# Altium PCB Main_Board.PcbDoc (part 5 of 19)
Units mil, origin at the board's own origin, x right, y up, seen from the top; angles counter-clockwise.
Board outline 5306 x 6610 mil, 12 copper layers ((L1) Top, (L2) Inner 1, (L3) Inner 2, (L4) Inner 3, (L5) Inner 4, (L6) Inner 5, (L7) Inner 6, (L8) Inner 7, (L9) Inner 8, (L10) Inner 9, (L11) Inner 10, (L12) Bottom), stack 94.81 mil thick; 347 components, 571 nets, 2611 pads, 4053 vias.
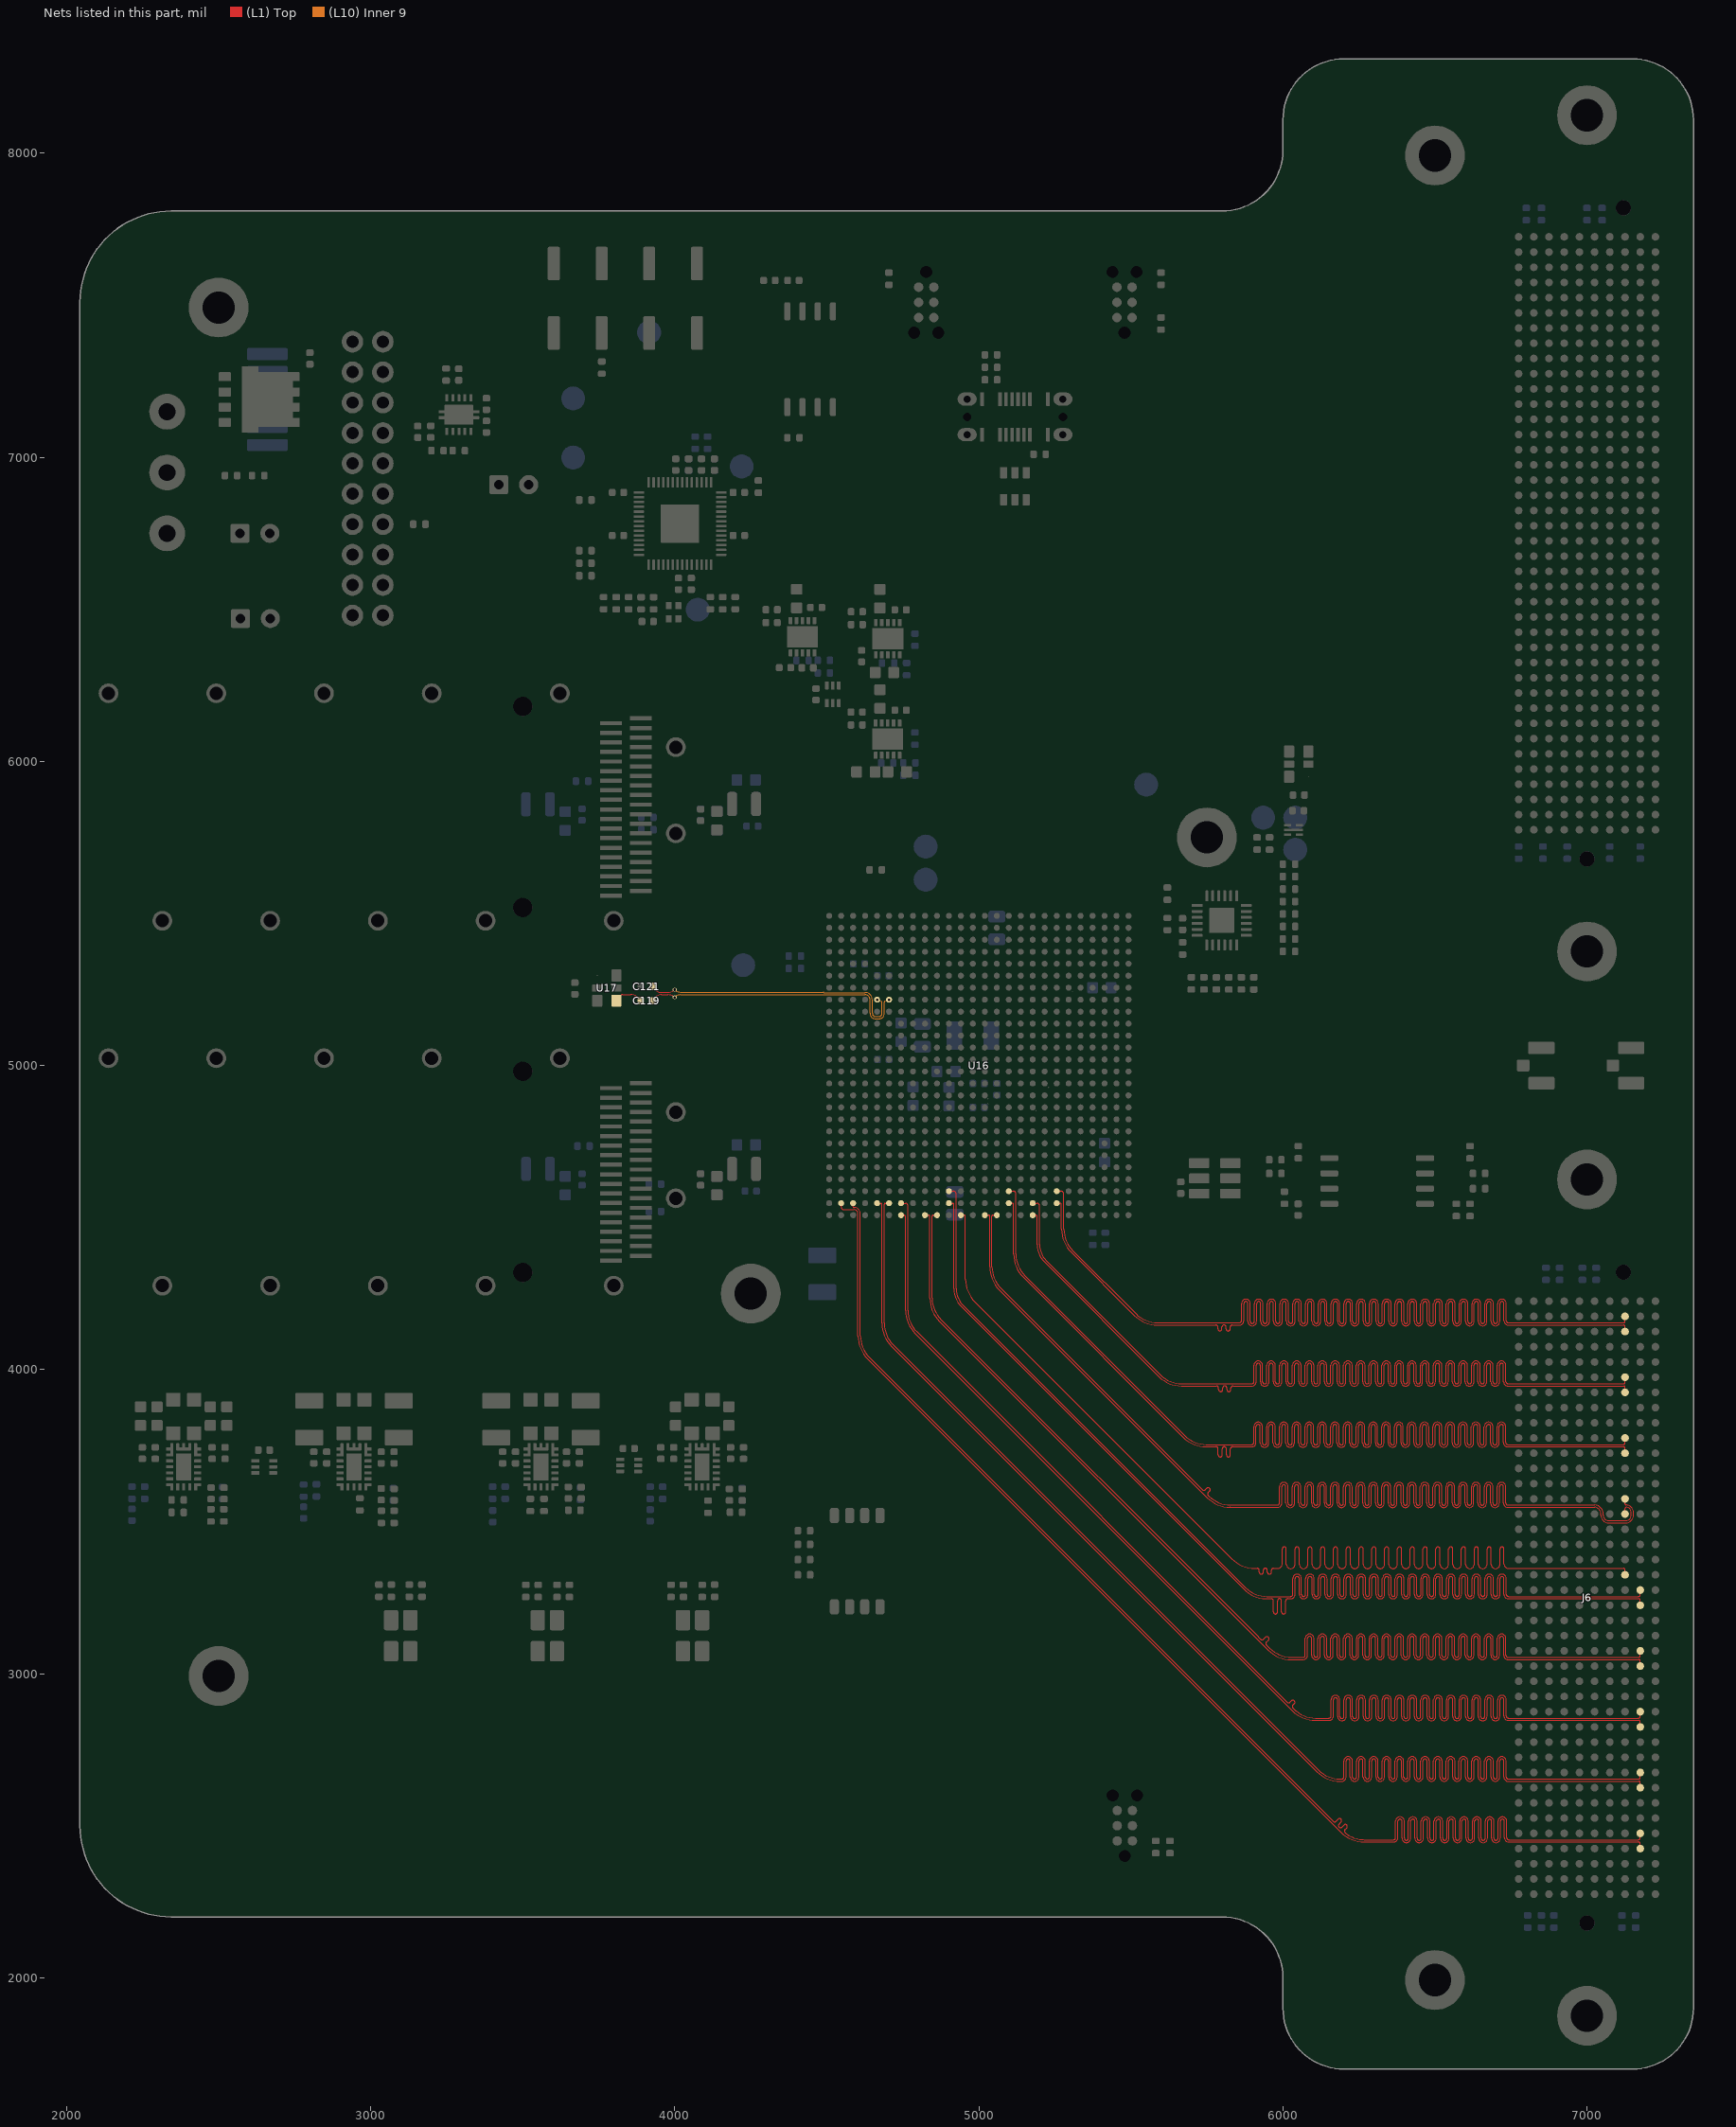
[diagram p15: the nets of this part, all layers, seen from the top]

## Via types
v1: diameter 13.78, hole 7.87, (L1) Top to (L12) Bottom, tented both sides, 4044 vias
v2: diameter 13.78, hole 7.87, (L1) Top to (L12) Bottom, tented bottom, 9 vias

## Nets (pads, with @x,y where several pads share a name; then routed paths per layer and width w, separated by ;. In a path a pad name is that pad's centre, name@x,y a point inside that pad or via, vN(x,y) a via of type N, cw(c..) or ccw(c..) an arc to the next point about the centre after c; other vN are vias at no path point) (continued)
GTX_REFCLK_DC_P: C119.2 U17.4 | length 98.9
  (L1) Top w3.5: U17.4@3808,5213.01 3808.15,5213.2 3819.51,5227.61 3821.39,5229.35 3825.74,5232.9 cw(c3827.87,5230.12) 3827.87,5233.62 3827.97,5233.72 3846.04,5233.72 3846.09,5233.77 3854.81,5233.77 3854.96,5233.62 cw(c3854.96,5199.7) 3878.95,5223.69 3887.88,5214.76 cw(c3885.24,5212.13) 3888.97,5212.13 C119.2@3888.97,5212.59
GTX_REFCLK_N: C121.1 U16.H5 | length 893
  (L1) Top w3.5: C121.1@3926.76,5260 3932.28,5253.31 3937.74,5247.9 ccw(c3956.39,5266.55) 3956.39,5240.17 3956.49,5240.07 3977.89,5240.07 3977.95,5240.14 ccw(c3977.95,5269.93) v1@3999.02,5248.86
  (L10) Inner 9 w3.5: v1(3999.33,5249.39) ccw(c4018.89,5268.94) 4018.89,5241.29 4050.34,5241.29 4050.5,5241.45 4488.55,5241.45 cw(c4488.55,5240) 4490,5240 4625.48,5240 cw(c4625.48,5216) 4649.47,5216 4649.47,5171.72 ccw(c4660.19,5171.72) 4660.19,5161 4671.87,5161 ccw(c4671.87,5170.49) 4681.36,5170.49 4681.36,5207.65 ccw(c4677.86,5207.65) 4679.2,5210.88 v1(4665.35,5216.54)
GTX_REFCLK_P: C119.1 U16.H6 | length 903.8
  (L1) Top w3.5: C119.1@3926.76,5212.59 3932.28,5219.28 3937.74,5224.9 cw(c3956.39,5206.25) 3956.39,5232.62 3956.49,5232.72 3977.82,5232.72 3977.95,5232.59 cw(c3977.95,5202.8) v1@3999.02,5223.86
  (L10) Inner 9 w3.5: v1(3999.33,5224.39) cw(c4018.89,5204.83) 4018.89,5232.49 4053.99,5232.49 4054.14,5232.65 4625.48,5232.65 cw(c4625.48,5216) 4642.12,5216 4642.12,5171.72 ccw(c4660.19,5171.72) 4660.19,5153.65 4671.87,5153.65 ccw(c4671.87,5170.49) 4688.71,5170.49 4688.71,5207.65 cw(c4692.21,5207.65) 4690.87,5210.88 ; 4690.89,5210.89 v1(4704.72,5216.54)
HPCC_A_01_N: J6.B21 U16.AE11 | length 5359.3
  (L1) Top w3.5: U16.AE11@4901.57,4547.24 4913,4547.24 cw(c4913,4542.49) 4917.76,4542.49 4917.76,4266.11 ccw(c5001.16,4266.11) 4942.19,4207.14 5871.37,3277.95 ccw(c5947.42,3354) 5943.25,3246.53 ccw(c5947.42,3354) 5945,3246.48 5947.42,3246.45 5961.88,3246.45 cw(c5961.88,3239.7) 5968.63,3239.7 5968.63,3203.1 ccw(c5975.38,3203.1) 5982.13,3203.1 5982.13,3239.9 cw(c5988.88,3239.9) 5995.63,3239.9 5995.63,3203.1 ccw(c6002.38,3203.1) 6009.13,3203.1 6009.13,3239.7 cw(c6015.88,3239.7) 6015.88,3246.45 6025.72,3246.45 ccw(c6025.72,3260.75) 6040.02,3260.75 6040.02,3312.63 cw(c6046.77,3312.63) 6053.52,3312.63 6053.52,3260.66 ccw(c6067.82,3260.66) 6082.12,3260.66 6082.12,3312.63 cw(c6088.87,3312.63) 6095.62,3312.63 6095.62,3260.66 ccw(c6109.92,3260.66) 6124.22,3260.66 6124.22,3312.63 cw(c6130.97,3312.63) 6137.72,3312.63 6137.72,3260.66 ccw(c6152.02,3260.66) 6166.32,3260.66 6166.32,3312.63 cw(c6173.07,3312.63) 6179.82,3312.63 6179.82,3260.66 ccw(c6194.12,3260.66) 6208.42,3260.66 6208.42,3312.63 cw(c6215.17,3312.63) 6221.92,3312.63 6221.92,3260.66 ccw(c6236.22,3260.66) 6250.52,3260.66 6250.52,3312.63 cw(c6257.27,3312.63) 6264.02,3312.63 6264.02,3260.66 ccw(c6278.32,3260.66) 6292.62,3260.66 6292.62,3312.63 cw(c6299.37,3312.63) 6306.12,3312.63 6306.12,3260.66 ccw(c6320.42,3260.66) 6334.72,3260.66 6334.72,3312.63 cw(c6341.47,3312.63) 6348.22,3312.63 6348.22,3260.66 ccw(c6362.52,3260.66) 6376.82,3260.66 6376.82,3312.63 cw(c6383.57,3312.63) 6390.32,3312.63 6390.32,3260.66 ccw(c6404.62,3260.66) 6418.92,3260.66 6418.92,3312.63 cw(c6425.67,3312.63) 6432.42,3312.63 6432.42,3260.66 ccw(c6446.72,3260.66) 6461.02,3260.66 6461.02,3312.63 cw(c6467.77,3312.63) 6474.52,3312.63 6474.52,3260.66 ccw(c6488.82,3260.66) 6503.12,3260.66 6503.12,3312.63 cw(c6509.87,3312.63) 6516.62,3312.63 6516.62,3260.66 ccw(c6530.92,3260.66) 6545.22,3260.66 6545.22,3312.63 cw(c6551.97,3312.63) 6558.72,3312.63 6558.72,3260.66 ccw(c6573.02,3260.66) 6587.32,3260.66 6587.32,3312.63 cw(c6594.07,3312.63) 6600.82,3312.63 6600.82,3260.66 ccw(c6615.12,3260.66) 6629.42,3260.66 6629.42,3312.63 cw(c6636.17,3312.63) 6642.92,3312.63 6642.92,3260.66 ccw(c6657.22,3260.66) 6671.52,3260.66 6671.52,3312.63 cw(c6678.27,3312.63) 6685.02,3312.63 6685.02,3260.66 ccw(c6699.32,3260.66) 6713.62,3260.66 6713.62,3312.63 cw(c6720.37,3312.63) 6727.12,3312.63 6727.12,3260.75 ccw(c6741.42,3260.75) 6741.42,3246.45 6768,3246.45 7170,3246.45 cw(c7170,3241.45) 7175,3241.45 J6.B21@7175,3225
HPCC_A_01_P: J6.B20 U16.AD11 | length 5214.6
  (L1) Top w3.5: U16.AD11@4901.57,4586.61 4916.77,4586.61 cw(c4916.77,4578.28) 4925.11,4578.28 4925.11,4481.45 4925.31,4481.25 4925.31,4266.11 ccw(c5001.16,4266.11) 4947.52,4212.48 5876.71,3283.29 ccw(c5947.42,3354) 5947.42,3254 6025.72,3254 ccw(c6025.72,3260.75) 6032.47,3260.75 6032.47,3312.63 cw(c6046.77,3312.63) 6061.07,3312.63 6061.07,3260.66 ccw(c6067.82,3260.66) 6074.57,3260.66 6074.57,3312.63 cw(c6088.87,3312.63) 6103.17,3312.63 6103.17,3260.66 ccw(c6109.92,3260.66) 6116.67,3260.66 6116.67,3312.63 cw(c6130.97,3312.63) 6145.27,3312.63 6145.27,3260.66 ccw(c6152.02,3260.66) 6158.77,3260.66 6158.77,3312.63 cw(c6173.07,3312.63) 6187.37,3312.63 6187.37,3260.66 ccw(c6194.12,3260.66) 6200.87,3260.66 6200.87,3312.63 cw(c6215.17,3312.63) 6229.47,3312.63 6229.47,3260.66 ccw(c6236.22,3260.66) 6242.97,3260.66 6242.97,3312.63 cw(c6257.27,3312.63) 6271.57,3312.63 6271.57,3260.66 ccw(c6278.32,3260.66) 6285.07,3260.66 6285.07,3312.63 cw(c6299.37,3312.63) 6313.67,3312.63 6313.67,3260.66 ccw(c6320.42,3260.66) 6327.17,3260.66 6327.17,3312.63 cw(c6341.47,3312.63) 6355.77,3312.63 6355.77,3260.66 ccw(c6362.52,3260.66) 6369.27,3260.66 6369.27,3312.63 cw(c6383.57,3312.63) 6397.87,3312.63 6397.87,3260.66 ccw(c6404.62,3260.66) 6411.37,3260.66 6411.37,3312.63 cw(c6425.67,3312.63) 6439.97,3312.63 6439.97,3260.66 ccw(c6446.72,3260.66) 6453.47,3260.66 6453.47,3312.63 cw(c6467.77,3312.63) 6482.07,3312.63 6482.07,3260.66 ccw(c6488.82,3260.66) 6495.57,3260.66 6495.57,3312.63 cw(c6509.87,3312.63) 6524.17,3312.63 6524.17,3260.66 ccw(c6530.92,3260.66) 6537.67,3260.66 6537.67,3312.63 cw(c6551.97,3312.63) 6566.27,3312.63 6566.27,3260.66 ccw(c6573.02,3260.66) 6579.77,3260.66 6579.77,3312.63 cw(c6594.07,3312.63) 6608.37,3312.63 6608.37,3260.66 ccw(c6615.12,3260.66) 6621.87,3260.66 6621.87,3312.63 cw(c6636.17,3312.63) 6650.47,3312.63 6650.47,3260.66 ccw(c6657.22,3260.66) 6663.97,3260.66 6663.97,3312.63 cw(c6678.27,3312.63) 6692.57,3312.63 6692.57,3260.66 ccw(c6699.32,3260.66) 6706.07,3260.66 6706.07,3312.63 cw(c6720.37,3312.63) 6734.67,3312.63 6734.67,3260.75 ccw(c6741.42,3260.75) 6741.42,3254 6768,3254 7170,3254 ccw(c7170,3259) 7175,3259 J6.B20@7175,3275
HPCC_A_02_N: J6.B25 U16.AF9 | length 5295.7
  (L1) Top w3.5: U16.AF9@4822.83,4507.87 4835.34,4507.87 cw(c4835.34,4504.37) 4837.82,4506.85 cw(c4835.34,4504.37) 4838.84,4504.37 4838.84,4235.03 ccw(c4946.39,4235.03) 4870.35,4158.98 5951.37,3077.95 ccw(c6027.42,3154) 6027.42,3046.45 6061.08,3046.45 6066.61,3046.45 ccw(c6066.61,3060.75) 6080.91,3060.75 6080.91,3115.67 cw(c6087.66,3115.67) 6094.41,3115.67 6094.41,3060.69 ccw(c6108.71,3060.69) 6123.01,3060.69 6123.01,3115.67 cw(c6129.76,3115.67) 6136.51,3115.67 6136.51,3060.69 ccw(c6150.81,3060.69) 6165.11,3060.69 6165.11,3115.67 cw(c6171.86,3115.67) 6178.61,3115.67 6178.61,3060.69 ccw(c6192.91,3060.69) 6207.21,3060.69 6207.21,3115.67 cw(c6213.96,3115.67) 6220.71,3115.67 6220.71,3060.69 ccw(c6235.01,3060.69) 6249.31,3060.69 6249.31,3115.67 cw(c6256.06,3115.67) 6262.81,3115.67 6262.81,3060.69 ccw(c6277.11,3060.69) 6291.41,3060.69 6291.41,3115.67 cw(c6298.16,3115.67) 6304.91,3115.67 6304.91,3060.69 ccw(c6319.21,3060.69) 6333.51,3060.69 6333.51,3115.67 cw(c6340.26,3115.67) 6347.01,3115.67 6347.01,3060.69 ccw(c6361.31,3060.69) 6375.61,3060.69 6375.61,3115.67 cw(c6382.36,3115.67) 6389.11,3115.67 6389.11,3060.69 ccw(c6403.41,3060.69) 6417.71,3060.69 6417.71,3115.67 cw(c6424.46,3115.67) 6431.21,3115.67 6431.21,3060.69 ccw(c6445.51,3060.69) 6459.81,3060.69 6459.81,3115.67 cw(c6466.56,3115.67) 6473.31,3115.67 6473.31,3060.69 ccw(c6487.61,3060.69) 6501.91,3060.69 6501.91,3115.67 cw(c6508.66,3115.67) 6515.41,3115.67 6515.41,3060.69 ccw(c6529.71,3060.69) 6544.01,3060.69 6544.01,3115.67 cw(c6550.76,3115.67) 6557.51,3115.67 6557.51,3060.69 ccw(c6571.81,3060.69) 6586.11,3060.69 6586.11,3115.67 cw(c6592.86,3115.67) 6599.61,3115.67 6599.61,3060.69 ccw(c6613.91,3060.69) 6628.21,3060.69 6628.21,3115.67 cw(c6634.96,3115.67) 6641.71,3115.67 6641.71,3060.69 ccw(c6656.01,3060.69) 6670.31,3060.69 6670.31,3115.67 cw(c6677.06,3115.67) 6683.81,3115.67 6683.81,3060.69 ccw(c6698.11,3060.69) 6712.41,3060.69 6712.41,3115.67 cw(c6719.16,3115.67) 6725.91,3115.67 6725.91,3060.75 ccw(c6740.21,3060.75) 6740.21,3046.45 6784,3046.45 7170,3046.45 cw(c7170,3041.45) 7175,3041.45 J6.B25@7175,3025
HPCC_A_02_P: J6.B24 U16.AF10 | length 5317.1
  (L1) Top w3.5: U16.AF10@4862.2,4507.87 4849.69,4507.87 ccw(c4849.69,4504.37) 4847.22,4506.85 ccw(c4849.69,4504.37) 4846.19,4504.37 4846.19,4481.45 4846.39,4481.25 4846.39,4235.03 ccw(c4946.39,4235.03) 4875.68,4164.32 5910.5,3129.5 5926.84,3113.16 ccw(c5931.61,3117.94) 5936.38,3113.16 5942.81,3119.6 cw(c5947.59,3114.83) 5952.36,3119.6 cw(c5947.59,3114.83) 5952.36,3110.05 5945.93,3103.62 ccw(c5950.7,3098.85) 5945.93,3094.07 5956.71,3083.29 ccw(c6027.42,3154) 6027.42,3054 6061.08,3054 6066.61,3054 ccw(c6066.61,3060.75) 6073.36,3060.75 6073.36,3115.67 cw(c6087.66,3115.67) 6101.96,3115.67 6101.96,3060.69 ccw(c6108.71,3060.69) 6115.46,3060.69 6115.46,3115.67 cw(c6129.76,3115.67) 6144.06,3115.67 6144.06,3060.69 ccw(c6150.81,3060.69) 6157.56,3060.69 6157.56,3115.67 cw(c6171.86,3115.67) 6186.16,3115.67 6186.16,3060.69 ccw(c6192.91,3060.69) 6199.66,3060.69 6199.66,3115.67 cw(c6213.96,3115.67) 6228.26,3115.67 6228.26,3060.69 ccw(c6235.01,3060.69) 6241.76,3060.69 6241.76,3115.67 cw(c6256.06,3115.67) 6270.36,3115.67 6270.36,3060.69 ccw(c6277.11,3060.69) 6283.86,3060.69 6283.86,3115.67 cw(c6298.16,3115.67) 6312.46,3115.67 6312.46,3060.69 ccw(c6319.21,3060.69) 6325.96,3060.69 6325.96,3115.67 cw(c6340.26,3115.67) 6354.56,3115.67 6354.56,3060.69 ccw(c6361.31,3060.69) 6368.06,3060.69 6368.06,3115.67 cw(c6382.36,3115.67) 6396.66,3115.67 6396.66,3060.69 ccw(c6403.41,3060.69) 6410.16,3060.69 6410.16,3115.67 cw(c6424.46,3115.67) 6438.76,3115.67 6438.76,3060.69 ccw(c6445.51,3060.69) 6452.26,3060.69 6452.26,3115.67 cw(c6466.56,3115.67) 6480.86,3115.67 6480.86,3060.69 ccw(c6487.61,3060.69) 6494.36,3060.69 6494.36,3115.67 cw(c6508.66,3115.67) 6522.96,3115.67 6522.96,3060.69 ccw(c6529.71,3060.69) 6536.46,3060.69 6536.46,3115.67 cw(c6550.76,3115.67) 6565.06,3115.67 6565.06,3060.69 ccw(c6571.81,3060.69) 6578.56,3060.69 6578.56,3115.67 cw(c6592.86,3115.67) 6607.16,3115.67 6607.16,3060.69 ccw(c6613.91,3060.69) 6620.66,3060.69 6620.66,3115.67 cw(c6634.96,3115.67) 6649.26,3115.67 6649.26,3060.69 ccw(c6656.01,3060.69) 6662.76,3060.69 6662.76,3115.67 cw(c6677.06,3115.67) 6691.36,3115.67 6691.36,3060.69 ccw(c6698.11,3060.69) 6704.86,3060.69 6704.86,3115.67 cw(c6719.16,3115.67) 6733.46,3115.67 6733.46,3060.75 ccw(c6740.21,3060.75) 6740.21,3054 6784,3054 7170,3054 ccw(c7170,3059) 7175,3059 J6.B24@7175,3075
HPCC_A_03_N: J6.B29 U16.AF7 | length 5205
  (L1) Top w3.5: U16.AF7@4744.09,4507.87 4753.13,4507.87 cw(c4753.13,4502) 4759,4502 4759,4194.87 ccw(c4866.55,4194.87) 4790.5,4118.82 6031.37,2877.95 ccw(c6107.42,2954) 6107.42,2846.45 6146.25,2846.45 6151.78,2846.45 ccw(c6151.78,2860.75) 6166.08,2860.75 6166.08,2914.18 cw(c6172.83,2914.18) 6179.58,2914.18 6179.58,2859.35 ccw(c6193.88,2859.35) 6208.18,2859.35 6208.18,2914.18 cw(c6214.93,2914.18) 6221.68,2914.18 6221.68,2859.35 ccw(c6235.98,2859.35) 6250.28,2859.35 6250.28,2914.18 cw(c6257.03,2914.18) 6263.78,2914.18 6263.78,2859.35 ccw(c6278.08,2859.35) 6292.38,2859.35 6292.38,2914.18 cw(c6299.13,2914.18) 6305.88,2914.18 6305.88,2859.35 ccw(c6320.18,2859.35) 6334.48,2859.35 6334.48,2914.18 cw(c6341.23,2914.18) 6347.98,2914.18 6347.98,2859.35 ccw(c6362.28,2859.35) 6376.58,2859.35 6376.58,2914.18 cw(c6383.33,2914.18) 6390.08,2914.18 6390.08,2859.35 ccw(c6404.38,2859.35) 6418.68,2859.35 6418.68,2914.18 cw(c6425.43,2914.18) 6432.18,2914.18 6432.18,2859.35 ccw(c6446.48,2859.35) 6460.78,2859.35 6460.78,2914.18 cw(c6467.53,2914.18) 6474.28,2914.18 6474.28,2859.35 ccw(c6488.58,2859.35) 6502.88,2859.35 6502.88,2914.18 cw(c6509.63,2914.18) 6516.38,2914.18 6516.38,2859.35 ccw(c6530.68,2859.35) 6544.98,2859.35 6544.98,2914.18 cw(c6551.73,2914.18) 6558.48,2914.18 6558.48,2859.35 ccw(c6572.78,2859.35) 6587.08,2859.35 6587.08,2914.18 cw(c6593.83,2914.18) 6600.58,2914.18 6600.58,2859.35 ccw(c6614.88,2859.35) 6629.18,2859.35 6629.18,2914.18 cw(c6635.93,2914.18) 6642.68,2914.18 6642.68,2859.35 ccw(c6656.98,2859.35) 6671.28,2859.35 6671.28,2914.18 cw(c6678.03,2914.18) 6684.78,2914.18 6684.78,2859.35 ccw(c6699.08,2859.35) 6713.38,2859.35 6713.38,2914.18 cw(c6720.13,2914.18) 6726.88,2914.18 6726.88,2860.75 ccw(c6741.18,2860.75) 6741.18,2846.45 6785,2846.45 7170,2846.45 cw(c7170,2841.45) 7175,2841.45 J6.B29@7175,2825
HPCC_A_03_P: J6.B28 U16.AE7 | length 5267
  (L1) Top w3.5: U16.AE7@4744.09,4547.24 4758.99,4547.24 cw(c4758.99,4539.88) 4766.35,4539.88 4766.35,4481.45 4766.55,4481.25 4766.55,4194.87 ccw(c4866.55,4194.87) 4795.84,4124.16 6012.75,2907.25 6013.99,2906.01 ccw(c6018.76,2910.78) 6023.54,2906.01 6028.05,2910.52 cw(c6032.82,2905.75) 6037.59,2910.52 cw(c6032.82,2905.75) 6037.59,2900.97 6033.08,2896.46 ccw(c6037.86,2891.69) 6033.08,2886.92 6036.71,2883.29 6041.41,2878.88 ccw(c6107.42,2954) 6042.74,2877.74 ccw(c6107.42,2954) 6107.42,2854 6146.25,2854 6151.78,2854 ccw(c6151.78,2860.75) 6158.53,2860.75 6158.53,2914.18 cw(c6172.83,2914.18) 6187.13,2914.18 6187.13,2859.35 ccw(c6193.88,2859.35) 6200.63,2859.35 6200.63,2914.18 cw(c6214.93,2914.18) 6229.23,2914.18 6229.23,2859.35 ccw(c6235.98,2859.35) 6242.73,2859.35 6242.73,2914.18 cw(c6257.03,2914.18) 6271.33,2914.18 6271.33,2859.35 ccw(c6278.08,2859.35) 6284.83,2859.35 6284.83,2914.18 cw(c6299.13,2914.18) 6313.43,2914.18 6313.43,2859.35 ccw(c6320.18,2859.35) 6326.93,2859.35 6326.93,2914.18 cw(c6341.23,2914.18) 6355.53,2914.18 6355.53,2859.35 ccw(c6362.28,2859.35) 6369.03,2859.35 6369.03,2914.18 cw(c6383.33,2914.18) 6397.63,2914.18 6397.63,2859.35 ccw(c6404.38,2859.35) 6411.13,2859.35 6411.13,2914.18 cw(c6425.43,2914.18) 6439.73,2914.18 6439.73,2859.35 ccw(c6446.48,2859.35) 6453.23,2859.35 6453.23,2914.18 cw(c6467.53,2914.18) 6481.83,2914.18 6481.83,2859.35 ccw(c6488.58,2859.35) 6495.33,2859.35 6495.33,2914.18 cw(c6509.63,2914.18) 6523.93,2914.18 6523.93,2859.35 ccw(c6530.68,2859.35) 6537.43,2859.35 6537.43,2914.18 cw(c6551.73,2914.18) 6566.03,2914.18 6566.03,2859.35 ccw(c6572.78,2859.35) 6579.53,2859.35 6579.53,2914.18 cw(c6593.83,2914.18) 6608.13,2914.18 6608.13,2859.35 ccw(c6614.88,2859.35) 6621.63,2859.35 6621.63,2914.18 cw(c6635.93,2914.18) 6650.23,2914.18 6650.23,2859.35 ccw(c6656.98,2859.35) 6663.73,2859.35 6663.73,2914.18 cw(c6678.03,2914.18) 6692.33,2914.18 6692.33,2859.35 ccw(c6699.08,2859.35) 6705.83,2859.35 6705.83,2914.18 cw(c6720.13,2914.18) 6734.43,2914.18 6734.43,2860.75 ccw(c6741.18,2860.75) 6741.18,2854 6785,2854 7170,2854 ccw(c7170,2859) 7175,2859 J6.B28@7175,2875
HPCC_A_04_N: J6.B33 U16.AE5 | length 5228.4
  (L1) Top w3.5: U16.AE5@4665.35,4547.24 4677.86,4547.24 cw(c4677.86,4543.74) 4680.34,4546.22 cw(c4677.86,4543.74) 4681.36,4543.74 4681.36,4152.51 ccw(c4788.91,4152.51) 4712.87,4076.46 6111.52,2677.81 ccw(c6187.57,2753.86) 6187.57,2646.31 6188,2646.31 6193.53,2646.31 ccw(c6193.53,2660.61) 6207.83,2660.61 6207.83,2712.62 cw(c6214.58,2712.62) 6221.33,2712.62 6221.33,2660.58 ccw(c6235.63,2660.58) 6249.93,2660.58 6249.93,2712.62 cw(c6256.68,2712.62) 6263.43,2712.62 6263.43,2660.58 ccw(c6277.73,2660.58) 6292.03,2660.58 6292.03,2712.62 cw(c6298.78,2712.62) 6305.53,2712.62 6305.53,2660.58 ccw(c6319.83,2660.58) 6334.13,2660.58 6334.13,2712.62 cw(c6340.88,2712.62) 6347.63,2712.62 6347.63,2660.58 ccw(c6361.93,2660.58) 6376.23,2660.58 6376.23,2712.62 cw(c6382.98,2712.62) 6389.73,2712.62 6389.73,2660.58 ccw(c6404.03,2660.58) 6418.33,2660.58 6418.33,2712.62 cw(c6425.08,2712.62) 6431.83,2712.62 6431.83,2660.58 ccw(c6446.13,2660.58) 6460.43,2660.58 6460.43,2712.62 cw(c6467.18,2712.62) 6473.93,2712.62 6473.93,2660.58 ccw(c6488.23,2660.58) 6502.53,2660.58 6502.53,2712.62 cw(c6509.28,2712.62) 6516.03,2712.62 6516.03,2660.58 ccw(c6530.33,2660.58) 6544.63,2660.58 6544.63,2712.62 cw(c6551.38,2712.62) 6558.13,2712.62 6558.13,2660.58 ccw(c6572.43,2660.58) 6586.73,2660.58 6586.73,2712.62 cw(c6593.48,2712.62) 6600.23,2712.62 6600.23,2660.58 ccw(c6614.53,2660.58) 6628.83,2660.58 6628.83,2712.62 cw(c6635.58,2712.62) 6642.33,2712.62 6642.33,2660.58 ccw(c6656.63,2660.58) 6670.93,2660.58 6670.93,2712.62 cw(c6677.68,2712.62) 6684.43,2712.62 6684.43,2660.58 ccw(c6698.73,2660.58) 6713.03,2660.58 6713.03,2712.62 cw(c6719.78,2712.62) 6726.53,2712.62 6726.53,2660.61 ccw(c6740.83,2660.61) 6740.83,2646.31 6764,2646.31 7170.86,2646.31 cw(c7170.86,2642.16) 7175,2642.16 J6.B33@7175,2625
HPCC_A_04_P: J6.B32 U16.AE6 | length 5216.5
  (L1) Top w3.5: U16.AE6@4704.72,4547.24 4692.21,4547.24 ccw(c4692.21,4543.74) 4689.74,4546.22 ccw(c4692.21,4543.74) 4688.71,4543.74 4688.71,4481.45 4688.91,4481.25 4688.91,4152.51 ccw(c4788.91,4152.51) 4718.2,4081.8 6116.86,2683.14 ccw(c6187.57,2753.86) 6187.57,2653.86 6188,2653.86 6193.53,2653.86 ccw(c6193.53,2660.61) 6200.28,2660.61 6200.28,2712.62 cw(c6214.58,2712.62) 6228.88,2712.62 6228.88,2660.58 ccw(c6235.63,2660.58) 6242.38,2660.58 6242.38,2712.62 cw(c6256.68,2712.62) 6270.98,2712.62 6270.98,2660.58 ccw(c6277.73,2660.58) 6284.48,2660.58 6284.48,2712.62 cw(c6298.78,2712.62) 6313.08,2712.62 6313.08,2660.58 ccw(c6319.83,2660.58) 6326.58,2660.58 6326.58,2712.62 cw(c6340.88,2712.62) 6355.18,2712.62 6355.18,2660.58 ccw(c6361.93,2660.58) 6368.68,2660.58 6368.68,2712.62 cw(c6382.98,2712.62) 6397.28,2712.62 6397.28,2660.58 ccw(c6404.03,2660.58) 6410.78,2660.58 6410.78,2712.62 cw(c6425.08,2712.62) 6439.38,2712.62 6439.38,2660.58 ccw(c6446.13,2660.58) 6452.88,2660.58 6452.88,2712.62 cw(c6467.18,2712.62) 6481.48,2712.62 6481.48,2660.58 ccw(c6488.23,2660.58) 6494.98,2660.58 6494.98,2712.62 cw(c6509.28,2712.62) 6523.58,2712.62 6523.58,2660.58 ccw(c6530.33,2660.58) 6537.08,2660.58 6537.08,2712.62 cw(c6551.38,2712.62) 6565.68,2712.62 6565.68,2660.58 ccw(c6572.43,2660.58) 6579.18,2660.58 6579.18,2712.62 cw(c6593.48,2712.62) 6607.78,2712.62 6607.78,2660.58 ccw(c6614.53,2660.58) 6621.28,2660.58 6621.28,2712.62 cw(c6635.58,2712.62) 6649.88,2712.62 6649.88,2660.58 ccw(c6656.63,2660.58) 6663.38,2660.58 6663.38,2712.62 cw(c6677.68,2712.62) 6691.98,2712.62 6691.98,2660.58 ccw(c6698.73,2660.58) 6705.48,2660.58 6705.48,2712.62 cw(c6719.78,2712.62) 6734.08,2712.62 6734.08,2660.61 ccw(c6740.83,2660.61) 6740.83,2653.86 6764,2653.86 7170.86,2653.86 ccw(c7170.86,2658) 7175,2658 J6.B32@7175,2675
HPCC_A_05_N: J6.B37 U16.AE2 | length 5000.1
  (L1) Top w3.5: U16.AE2@4547.24,4547.24 4547.24,4535.19 ccw(c4556.79,4535.19) 4556.79,4525.65 4590,4525.65 cw(c4590,4513) 4602.65,4513 4602.65,4111.22 ccw(c4710.2,4111.22) 4634.15,4035.17 6191.37,2477.95 ccw(c6267.42,2554) 6267.42,2446.45 6358.35,2446.45 6363.88,2446.45 ccw(c6363.88,2460.75) 6378.18,2460.75 6378.18,2514.75 cw(c6384.93,2514.75) 6391.68,2514.75 6391.68,2458.73 ccw(c6405.98,2458.73) 6420.28,2458.73 6420.28,2514.75 cw(c6427.03,2514.75) 6433.78,2514.75 6433.78,2458.73 ccw(c6448.08,2458.73) 6462.38,2458.73 6462.38,2514.75 cw(c6469.13,2514.75) 6475.88,2514.75 6475.88,2458.73 ccw(c6490.18,2458.73) 6504.48,2458.73 6504.48,2514.75 cw(c6511.23,2514.75) 6517.98,2514.75 6517.98,2458.73 ccw(c6532.28,2458.73) 6546.58,2458.73 6546.58,2514.75 cw(c6553.33,2514.75) 6560.08,2514.75 6560.08,2458.73 ccw(c6574.38,2458.73) 6588.68,2458.73 6588.68,2514.75 cw(c6595.43,2514.75) 6602.18,2514.75 6602.18,2458.73 ccw(c6616.48,2458.73) 6630.78,2458.73 6630.78,2514.75 cw(c6637.53,2514.75) 6644.28,2514.75 6644.28,2458.73 ccw(c6658.58,2458.73) 6672.88,2458.73 6672.88,2514.75 cw(c6679.63,2514.75) 6686.38,2514.75 6686.38,2458.73 ccw(c6700.68,2458.73) 6714.98,2458.73 6714.98,2514.75 cw(c6721.73,2514.75) 6728.48,2514.75 6728.48,2460.75 ccw(c6742.78,2460.75) 6742.78,2446.45 6771,2446.45 7169,2446.45 cw(c7169,2440.45) 7175,2440.45 J6.B37@7175,2425